# Altium PCB POWER_SUPPLY_20-100V.PcbDoc
Units mm, origin at the board's own origin, x right, y up, seen from the top; angles counter-clockwise.
Board outline 91 x 55 mm, 2 copper layers (Top Layer, Bottom Layer), stack 1.071 mm thick; 83 components, 39 nets, 176 pads, 32 vias.
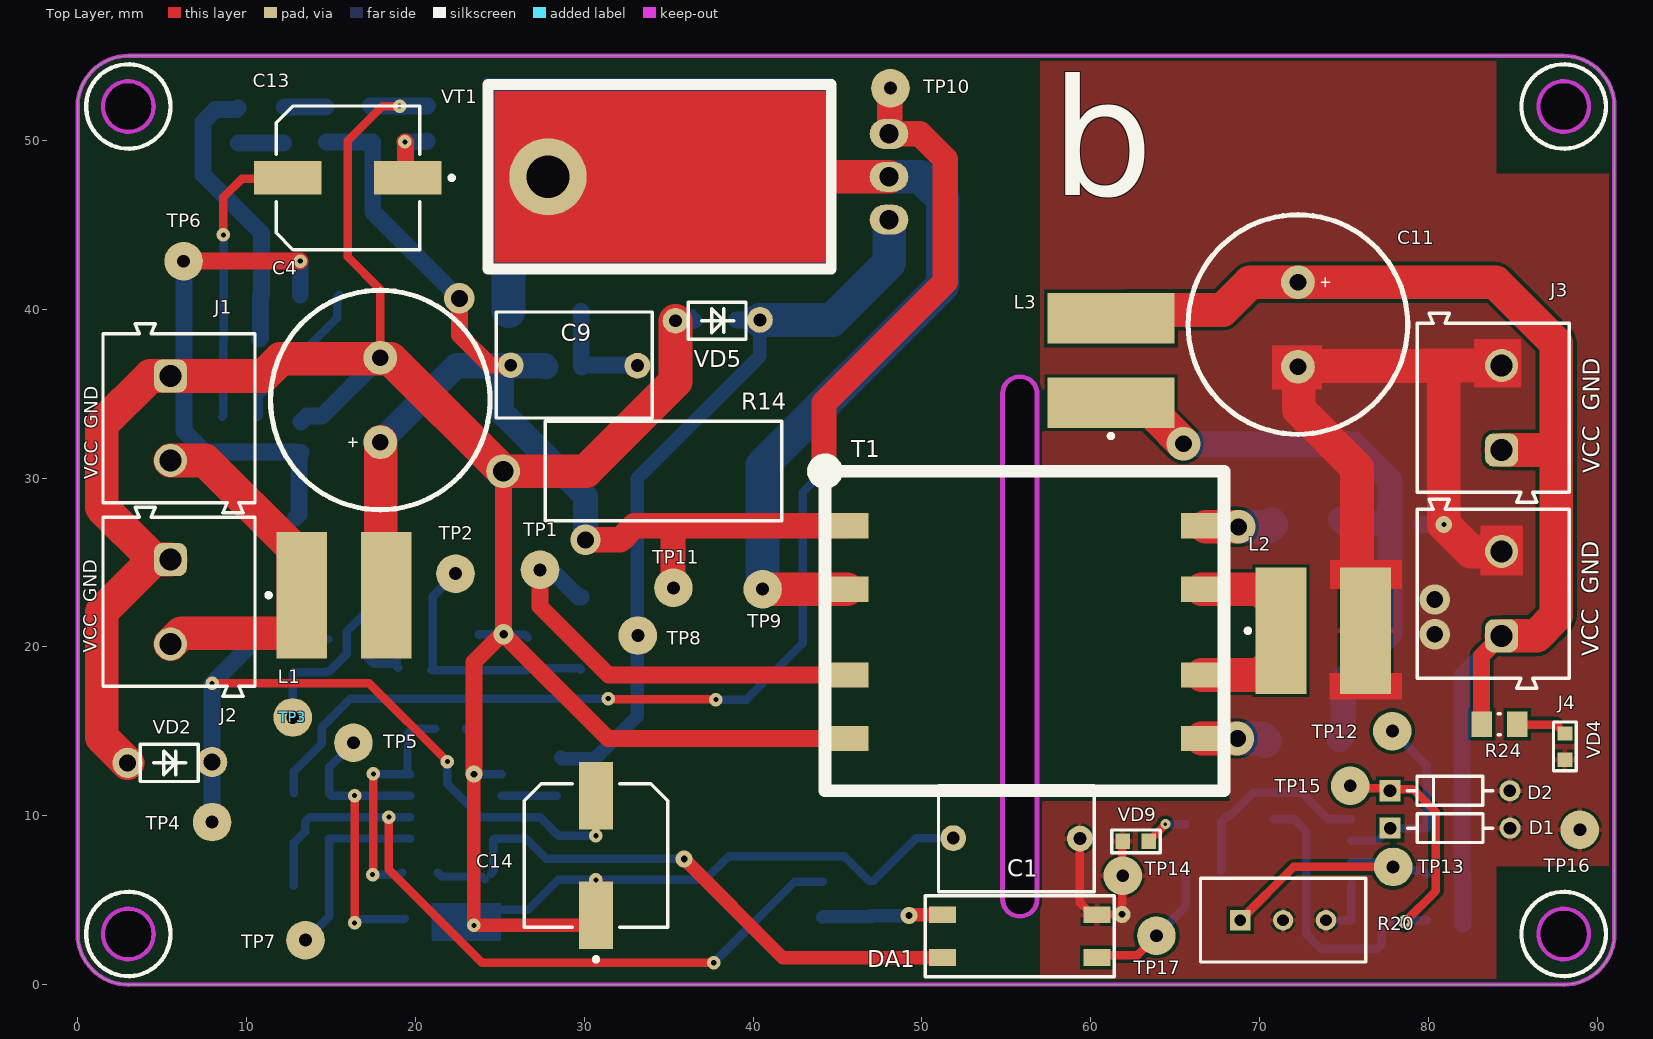
[diagram p0: Top Layer view]
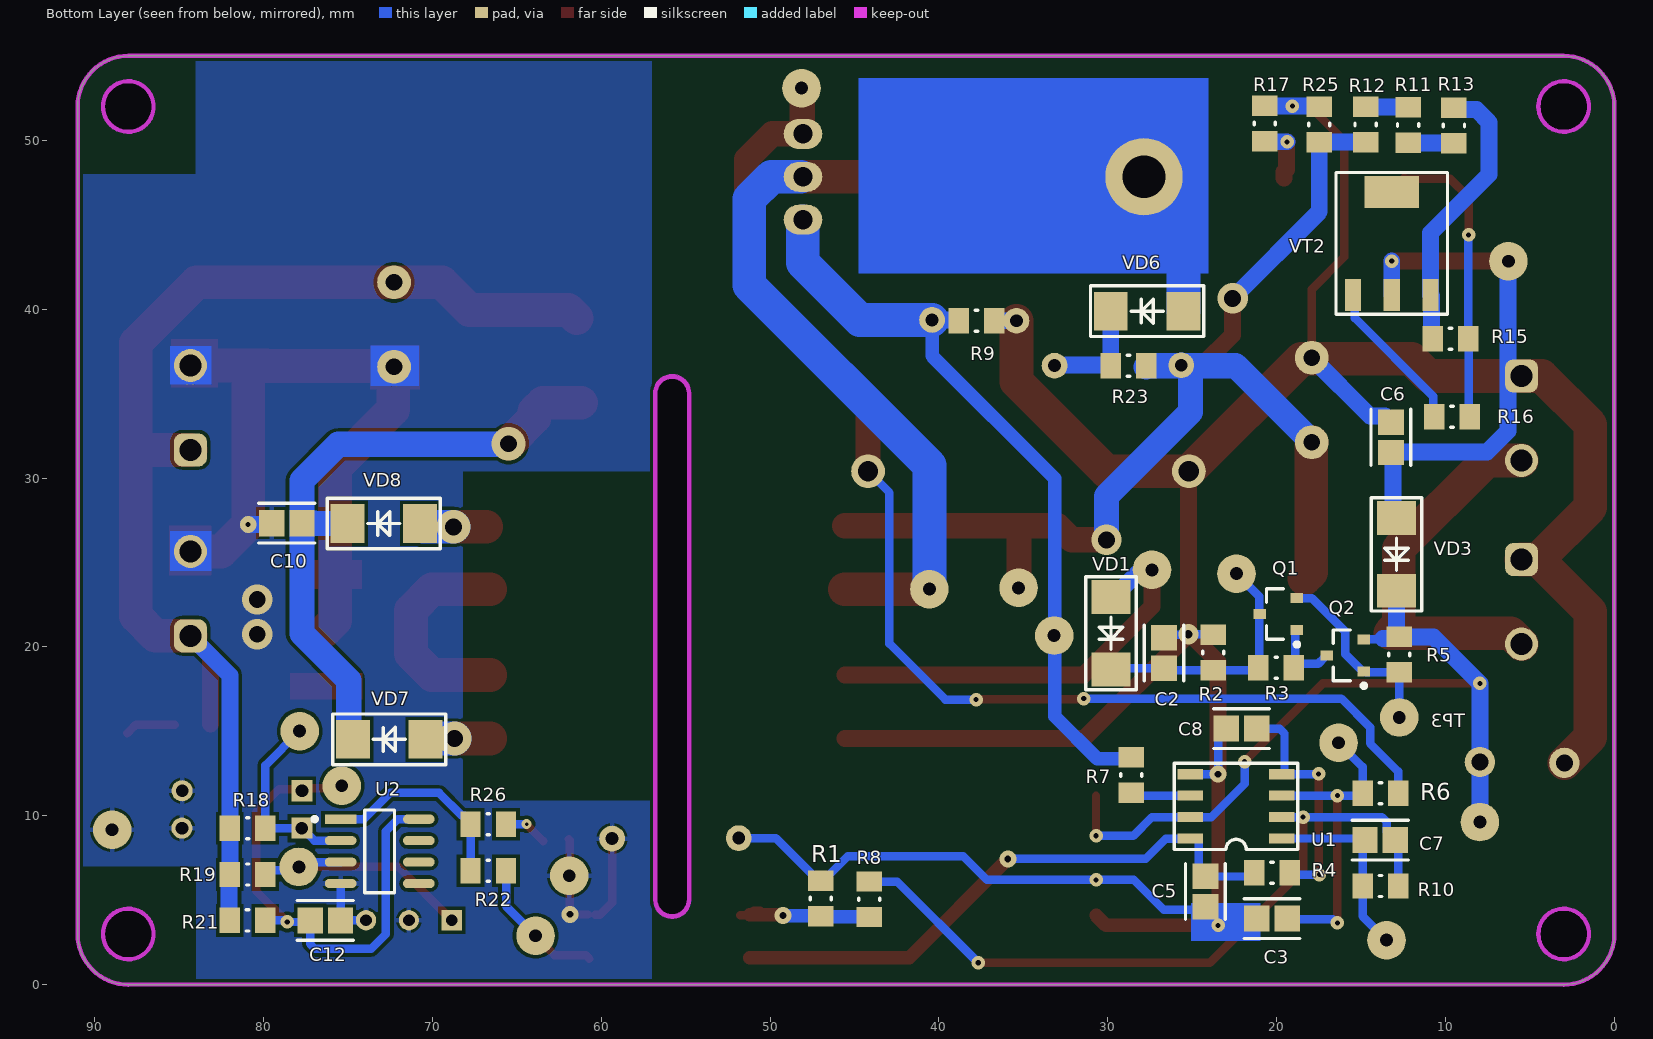
[diagram p1: Bottom Layer view, seen from below]
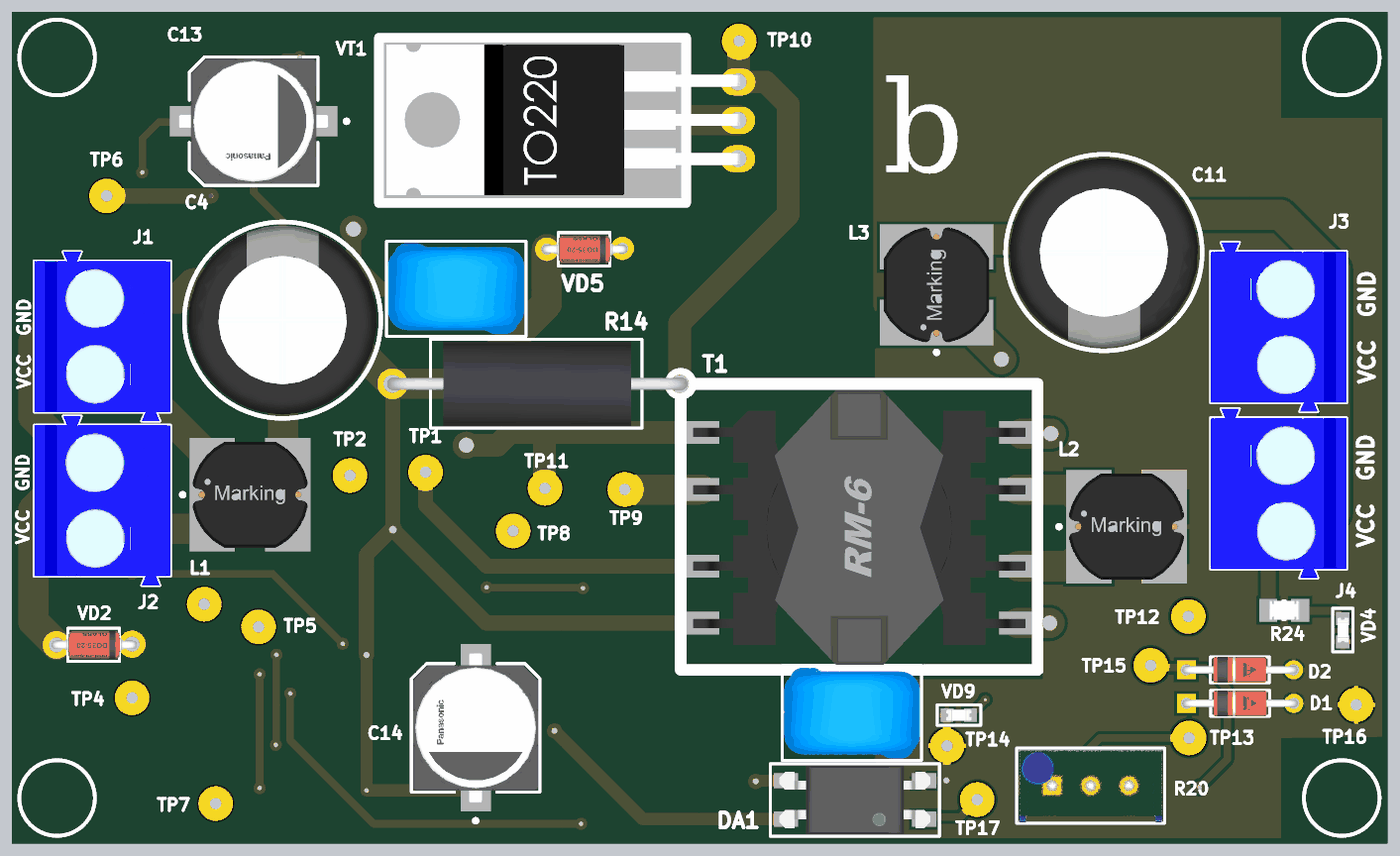
[diagram p2: 3D render of the assembled board from above, using the file's embedded part models]
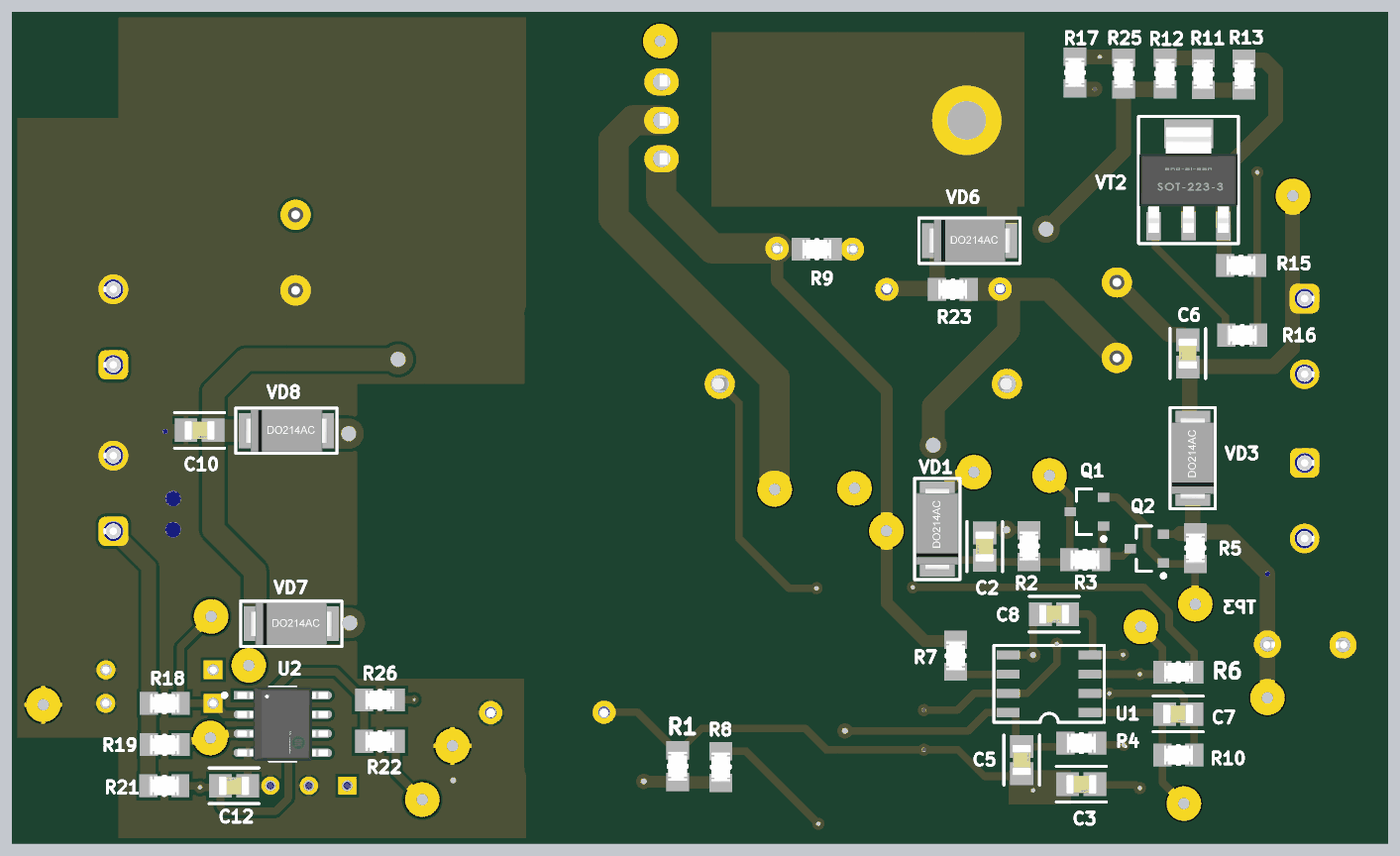
[diagram p3: 3D render of the assembled board from below, using the file's embedded part models]

## Layer stack, top to bottom
Top Solder: solder mask 0.0102, Solder Resist, Dk 3.5
Top Layer: signal copper 0.0356
Dielectric 1: dielectric 1, FR-4, Dk 4.8
Bottom Layer: signal copper 0.0356
Bottom Solder: solder mask 0.0102, Solder Resist, Dk 3.5

## Board outline
0,3 ccw(c3,3) 3,0 2.986,0.004 88,0.004 88,0 ccw(c88,3) 91,3 91,52 ccw(c88,52) 88,55 3,55 ccw(c3,52) 0,52
cut-out: 54.667,5.05 cw(c54.794,5.05) 54.668,5.064 54.668,21.053 cw(c54.792,21.08) 54.665,21.08 54.665,34.98 cw(c54.792,34.98) 54.668,35.007 cw(c55.795,35) 56.923,35 cw(c56.795,35) 56.915,34.957 cw(c56.79,34.931) 56.918,34.931 56.918,24.463 cw(c56.795,24.428) 56.923,24.428 56.923,16.898 cw(c56.796,16.898) 56.922,16.883 56.922,5.009 cw(c56.795,5.009) 56.92,4.989 cw(c55.794,5.05) 54.668,5.004 cw(c55.795,5.05)
cut-out: 1.5,3 ccw(c3,3) 3,1.5 ccw(c3,3) 4.5,3 ccw(c3,3) 3,4.5 ccw(c3,3)
cut-out: 1.5,52 ccw(c3,52) 3,50.5 ccw(c3,52) 4.5,52 ccw(c3,52) 3,53.5 ccw(c3,52)
cut-out: 86.5,3 ccw(c88,3) 88,1.5 ccw(c88,3) 89.5,3 ccw(c88,3) 88,4.5 ccw(c88,3)
cut-out: 86.5,52 ccw(c88,52) 88,50.5 ccw(c88,52) 89.5,52 ccw(c88,52) 88,53.5 ccw(c88,52)

## Design rules (kind name [scope] priority, off if disabled: settings)
Clearance [All] p1: gap=0.2 ignorepadtopadclearanceinfootprint=FALSE
DiffPairsRouting [All] p1: maxlimit=0.254 minlimit=0.254 mostfreqgap=0.254 substack1={A23D90DD-733B-49C5-8102-56B3D284E3A0} toplayer_{a23d90dd-733b-49c5-8102-56b3d284e3a0}_minwidth=0.381 toplayer_{a23d90dd-733b-49c5-8102-56b3d284e3a0}_maxwidth=0.381 toplayer_{a23d90dd-733b-49c5-8102-56b3d284e3a0}_prefwidth=0.381 bottomlayer_{a23d90dd-733b-49c5-8102-56b3d284e3a0}_minwidth=0.381 bottomlayer_{a23d90dd-733b-49c5-8102-56b3d284e3a0}_maxwidth=0.381 bottomlayer_{a23d90dd-733b-49c5-8102-56b3d284e3a0}_prefwidth=0.381 toplayer_minwidth=0.381 toplayer_maxwidth=0.381 toplayer_prefwidth=0.381 bottomlayer_minwidth=0.381 bottomlayer_maxwidth=0.381 bottomlayer_prefwidth=0.381 substack2={0B3DB408-A969-412D-8C07-BA8AE97219D9} toplayer_{0b3db408-a969-412d-8c07-ba8ae97219d9}_minwidth=0.381 toplayer_{0b3db408-a969-412d-8c07-ba8ae97219d9}_maxwidth=0.381 toplayer_{0b3db408-a969-412d-8c07-ba8ae97219d9}_prefwidth=0.381 bottomlayer_{0b3db408-a969-412d-8c07-ba8ae97219d9}_minwidth=0.381 bottomlayer_{0b3db408-a969-412d-8c07-ba8ae97219d9}_maxwidth=0.381 bottomlayer_{0b3db408-a969-412d-8c07-ba8ae97219d9}_prefwidth=0.381 substack3={378827E6-B38F-4565-9D2F-710D8D441C30} toplayer_{378827e6-b38f-4565-9d2f-710d8d441c30}_minwidth=0.381 toplayer_{378827e6-b38f-4565-9d2f-710d8d441c30}_maxwidth=0.381 toplayer_{378827e6-b38f-4565-9d2f-710d8d441c30}_prefwidth=0.381 bottomlayer_{378827e6-b38f-4565-9d2f-710d8d441c30}_minwidth=0.381 bottomlayer_{378827e6-b38f-4565-9d2f-710d8d441c30}_maxwidth=0.381 bottomlayer_{378827e6-b38f-4565-9d2f-710d8d441c30}_prefwidth=0.381 substack4={1E65D4A7-266F-4925-B814-5E9C4A66F8EE} toplayer_{1e65d4a7-266f-4925-b814-5e9c4a66f8ee}_minwidth=0.381 toplayer_{1e65d4a7-266f-4925-b814-5e9c4a66f8ee}_maxwidth=0.381 toplayer_{1e65d4a7-266f-4925-b814-5e9c4a66f8ee}_prefwidth=0.381 bottomlayer_{1e65d4a7-266f-4925-b814-5e9c4a66f8ee}_minwidth=0.381 bottomlayer_{1e65d4a7-266f-4925-b814-5e9c4a66f8ee}_maxwidth=0.381 bottomlayer_{1e65d4a7-266f-4925-b814-5e9c4a66f8ee}_prefwidth=0.381 substack5={93C5D03E-862D-45F8-9871-970EEA9B3F11} toplayer_{93c5d03e-862d-45f8-9871-970eea9b3f11}_minwidth=0.381 toplayer_{93c5d03e-862d-45f8-9871-970eea9b3f11}_maxwidth=0.381 toplayer_{93c5d03e-862d-45f8-9871-970eea9b3f11}_prefwidth=0.381 bottomlayer_{93c5d03e-862d-45f8-9871-970eea9b3f11}_minwidth=0.381 bottomlayer_{93c5d03e-862d-45f8-9871-970eea9b3f11}_maxwidth=0.381 bottomlayer_{93c5d03e-862d-45f8-9871-970eea9b3f11}_prefwidth=0.381 maxuncoupledlength=12.7
HoleSize [All] p1: absolutevalues=TRUE maxlimit=6 minlimit=0.01 maxpercent=80.000 minpercent=20.000
HoleToHoleClearance [All] p1: gap=0.1 allowstackedmicrovias=TRUE
MinimumSolderMaskSliver [All] p1: minsoldermaskwidth=0.1
PlaneConnect [All] p1: pad.planeconnectstyle=Relief pad.reliefexpansion=0.5 pad.reliefentries=4 pad.reliefconductorwidth=0.5 pad.reliefairgap=0.15 via.planeconnectstyle=Direct via.reliefexpansion=0.5 via.reliefentries=4 via.reliefconductorwidth=0.5 via.reliefairgap=0.15
PolygonConnect VQFN20 [HasFootprint('VQFN20')] p1: connectstyle=Direct reliefconductorwidth=0.254 reliefentries=4 polygonreliefangle="90 Angle" airgapwidth=0.254
PolygonConnect [All] p2: thpad.connectstyle=Relief thpad.reliefconductorwidth=0.3 thpad.reliefentries=4 thpad.polygonreliefangle="90 Angle" thpad.airgapwidth=0.15 smdpad.connectstyle=Relief smdpad.reliefconductorwidth=0.3 smdpad.reliefentries=4 smdpad.polygonreliefangle="90 Angle" smdpad.airgapwidth=0.15 via.connectstyle=Direct via.reliefconductorwidth=0.3 via.reliefentries=4 via.polygonreliefangle="90 Angle" via.airgapwidth=0.15
RoutingVias [All] p1: holewidth=0.1 width=0.1 viastyle="Through Hole" minholewidth=0 minwidth=0.3 maxholewidth=2 maxwidth=4
ShortCircuit [All] p1: allowed=TRUE
SilkToSolderMaskClearance [IsPad] p1: minsilkscreentomaskgap=0.1 clearancetoexposedcopper=TRUE
SolderMaskExpansion SolderMaskExpansion_Via [IsVia] p1: expansion=0.102 istentingtop=TRUE
SolderMaskExpansion [All] p2: expansion=0.01 istentingtop=FALSE
UnRoutedNet [All] p1: checkbadconnections=TRUE
Width [All] p1: maxlimit=5 minlimit=0.2 preferedwidth=0.3 substack1={A23D90DD-733B-49C5-8102-56B3D284E3A0} substack2={0B3DB408-A969-412D-8C07-BA8AE97219D9} substack3={378827E6-B38F-4565-9D2F-710D8D441C30} substack4={1E65D4A7-266F-4925-B814-5E9C4A66F8EE} substack5={93C5D03E-862D-45F8-9871-970EEA9B3F11}
22 further rules are at their usual default settings.

## Components (designator, comment, footprint, x,y, rotation, side; value= is the part's Value field where it differs from the comment)
C1 "CAP-NON-POLAR" CAP-V5 55.601,8.625 r0 top
C2 "50V 1uF" FP-C0805C-DN-IPC_A 26.668,19.641 r90 bottom value="0.22 μF"
C3 "50V 47pF" FP-C0805C-DN-IPC_A 20.271,3.912 r0 bottom value="0.22 μF"
C4 "25V 2200uF" CAPPOL-12x25 17.921,34.62 r90 top
C5 "50V 10nF" FP-C0805C-DN-IPC_A 24.218,5.514 r270 bottom value="0.22 μF"
C6 "50V 1uF" FP-C0805C-DN-IPC_A 13.233,32.41 r90 bottom value="0.22 μF"
C7 "50V 10nF" FP-C0805C-DN-IPC_A 13.868,8.562 r0 bottom value="0.22 μF"
C8 "50V 1uF" FP-C0805C-DN-IPC_A 22.073,15.164 r0 bottom value="0.22 μF"
C9 "CAP-NON-POLAR" CAP-V5 29.397,36.704 r180 top
C10 "50V 1uF" FP-C0805C-DN-IPC_A 78.613,27.33 r0 bottom value="0.22 μF"
C11 "25V 2200uF" CAPPOL-12x25 72.263,39.091 r270 top
C12 "50V 1uF" FP-C0805C-DN-IPC_A 76.333,3.805 r180 bottom value="0.22 μF"
C13 "EEE-1HA101UP" FP-SF-MFG 16.002,47.777 r180 top value=100uF
C14 "EEE-1HA101UP" FP-SF-MFG 30.695,7.647 r90 top locked value=100uF
D1 "BZX55B5V2-TAP" FP-SB-V-3906_04-031_4-MFG 81.274,9.266 r0 top locked
D2 "BZX55B8V2-TAP" FP-SB-V-3906_04-031_4-MFG 81.262,11.481 r0 top
DA1 "PC817" 4-SMD 55.787,2.87 r180 top locked
J1 "691101710002" 691101710002 6,33.542 r270 top
J2 "691101710002" 691101710002 6,22.671 r270 top
J3 "691101710002" 691101710002 83.82,34.163 r90 top locked
J4 "691101710002" 691101710002 83.82,23.154 r90 top locked
L1 "470µH, 0.36A" WE-PD2_7850 15.773,23.063 r0 top
L2 "470µH, 0.36A" WE-PD2_7850 73.762,20.955 r0 top
L3 "470µH, 0.36A" WE-PD2_7850 61.189,36.957 r90 top
Q1 "BC847C" INF-SOT23_L 19.9,21.943 r0 bottom
Q2 "BC847C" INF-SOT23_L 15.937,19.499 r0 bottom
R1 "1k" Vishay_CRCW0805-e3_IPC_A 46.99,5.105 r270 bottom
R2 "1k" Vishay_CRCW0805-e3_IPC_A 23.747,19.67 r270 bottom
R3 "1k" Vishay_CRCW0805-e3_IPC_A 20.027,18.765 r180 bottom
R4 "1K" Vishay_CRCW0805-e3_IPC_A 20.271,6.625 r180 bottom
R5 "20Ω" Vishay_CRCW0805-e3_IPC_A 12.737,19.546 r90 bottom
R6 "1K" Vishay_CRCW0805-e3_IPC_A 13.855,11.33 r180 bottom
R7 "22" Vishay_CRCW0805-e3_IPC_A 28.602,12.408 r90 bottom
R8 "3,9K" Vishay_CRCW0805-e3_IPC_A 44.12,5.055 r270 bottom
R9 "10K" Vishay_CRCW0805-e3_IPC_A 37.775,39.315 r180 bottom
R10 "100K" Vishay_CRCW0805-e3_IPC_A 13.855,5.842 r180 bottom
R11 "220Ω" Vishay_CRCW0805-e3_IPC_A 12.217,50.902 r90 bottom
R12 "220Ω" Vishay_CRCW0805-e3_IPC_A 14.732,50.939 r270 bottom
R13 "220Ω" Vishay_CRCW0805-e3_IPC_A 9.5,50.876 r270 bottom
R14 "RES-CONST" RES-2W 34.696,30.404 r0 top locked
R15 "10k" Vishay_CRCW0805-e3_IPC_A 9.709,38.241 r0 bottom
R16 "1k" Vishay_CRCW0805-e3_IPC_A 9.617,33.63 r0 bottom
R17 "200Ω" Vishay_CRCW0805-e3_IPC_A 20.701,51.003 r90 bottom
R18 "1k" Vishay_CRCW0805-e3_IPC_A 80.931,9.266 r0 bottom
R19 "1k" Vishay_CRCW0805-e3_IPC_A 80.931,6.523 r0 bottom
R20 "3296W-1-202LF" Bourns_3296W_MFG 71.383,3.821 r270 top
R21 "1k" Vishay_CRCW0805-e3_IPC_A 80.94,3.805 r0 bottom
R22 "1k" Vishay_CRCW0805-e3_IPC_A 66.681,6.751 r0 bottom
R23 "22K" Vishay_CRCW0805-e3_IPC_A 28.778,36.652 r0 bottom
R24 "2.7K" Vishay_CRCW0805-e3_IPC_A 84.187,15.418 r0 top
R25 "1M" Vishay_CRCW0805-e3_IPC_A 17.475,50.939 r90 bottom
R26 "1k" Vishay_CRCW0805-e3_IPC_A 66.681,9.495 r180 bottom
T1 "TRANS_RM6" TRANS_RM6 56.073,20.879 r0 top locked value=XX
TP1 "Test_Point_PCB" Test_Point#1 27.381,24.562 r0 top
TP2 "Test_Point_PCB" Test_Point#1 22.377,24.339 r180 top
TP3 "Test_Point_PCB" Test_Point#1 12.737,15.824 r180 top
TP4 "Test_Point_PCB" Test_Point#1 7.961,9.627 r180 top
TP5 "Test_Point_PCB" Test_Point#1 16.332,14.326 r0 top
TP6 "Test_Point_PCB" Test_Point#1 6.274,42.841 r0 top
TP7 "Test_Point_PCB" Test_Point#1 13.491,2.633 r0 top
TP8 "Test_Point_PCB" Test_Point#1 33.172,20.67 r0 top
TP9 "Test_Point_PCB" Test_Point#1 40.562,23.419 r0 top
TP10 "Test_Point_PCB" Test_Point#1 48.133,53.086 r0 top locked
TP11 "Test_Point_PCB" Test_Point#1 35.281,23.495 r0 top
TP12 "Test_Point_PCB" Test_Point#1 77.851,15.011 r0 top
TP13 "Test_Point_PCB" Test_Point#1 77.902,6.973 r0 top
TP14 "Test_Point_PCB" Test_Point#2 61.887,6.452 r0 top
TP15 "Test_Point_PCB" Test_Point#1 75.362,11.775 r0 top
TP16 "Test_Point_PCB" Test_Point#2 88.956,9.169 r0 top
TP17 "Test_Point_PCB" Test_Point#1 63.881,2.896 r0 top locked
U1 "UC3842B" SOIC8-150 22.406,10.555 r0 bottom
U2 "LM358DR2G" FP-751-07-IPC_C 73.112,7.894 r180 bottom
VD1 "DIODE" "DO-214AC, SMA" 29.806,20.804 r90 bottom
VD2 "18V" DO-35#1 5.461,13.132 r180 top
VD3 "DIODE" "DO-214AC, SMA" 12.903,25.476 r90 bottom
VD4 "LED" LED-0603 88.074,14.101 r90 top
VD5 "15V" DO-35#2 37.907,39.315 r180 top
VD6 "DIODE" "DO-214AC, SMA" 27.669,39.879 r180 bottom
VD7 "DIODE" "DO-214AC, SMA" 72.551,14.529 r180 bottom
VD8 "DIODE" "DO-214AC, SMA" 72.873,27.305 r180 bottom
VD9 "LED" LED-0603 62.662,8.486 r0 top
VT1 "MOSFET-N-GDS" TO-220(bend2) 36.872,47.586 r90 top locked value="200V 18A"
VT2 "BIPOLAR-PNP-BCE" SOT-223-3 13.183,43.891 r180 bottom

## Footprints (in the part's own frame and the unit in brackets; to place one, negate y for a bottom-side part, rotate by r counter-clockwise, add the part's x,y. Pads: shape width x height; smd on the part's side, far side on the other; paste and mask are expansions set on the pad)
4-SMD [mm]
  rect 1.6x1 smd: 1(-4.575,1.27) 2(-4.575,-1.27) 3(4.575,-1.27) 4(4.575,1.27)
  silkscreen extent -5.6,-2.4 5.6,2.4, body extent -5,-2.29 5,2.29, height 3.85
691101710002 [mm] "5,00mm - modular - blue - Horizontal entry with pressure clamp - 12,6mm height - 02p"
  rrect50% 1.95x1.95 hole 1.3: 1(-2.5,-0.5)
  round 1.95 hole 1.3: 2(2.5,-0.5)
  silkscreen extent -5.6,-4.5 5.6,4.5, body extent -5.6,-4.5 5.6,4.5, height 12.65
Bourns_3296W_MFG [mm]
  rect 1.2x1.2 hole 0.7 paste-1000 mask+0: 1(0.005,-2.54)
  round 1.2 hole 0.7 paste-1000 mask+0: 2(0.005,0) 3(0.005,2.54)
  silkscreen extent -2.48,-4.89 2.48,4.89, body extent -2.58,-4.99 2.58,4.99, height 0.25
CAP-V5 [mil]
  round 60 hole 30: 1(-147.64,1.97) 2(147.64,0.98)
  silkscreen extent -182,-123 181,124, body extent -177,-118 177,118, height 630
CAPPOL-12x25 [mm]
  round 2 hole 1: 1(-2.5,0) 2(2.5,0)
  silkscreen extent -6.5,-6.5 6.5,6.5, body extent -6.25,-6.25 6.25,6.25, height 25
DO-35#1 [mm]
  round 1.8 hole 1: 1(-2.5,-0.05) 2(2.5,0)
  silkscreen extent -1.68,-1.1 1.75,1.1, body extent -2.82,-0.9 2.82,0.9, height 1.82
DO-35#2 [mm]
  round 1.524 hole 0.762: 1(-2.5,-0.05) 2(2.5,0)
  silkscreen extent -1.68,-1.1 1.75,1.1, body extent -2.82,-0.9 2.82,0.9, height 1.82
"DO-214AC, SMA" [mm]
  rect 2x2.3 smd: 1(-2.15,0) 2(2.15,0)
  silkscreen extent -3.35,-1.5 3.35,1.5, body extent -2.74,-1.4 2.74,1.4, height 2.24
FP-751-07-IPC_C [mm]
  rect 1.874x0.543 smd paste+0 mask+0: 1(-2.316,1.905)
  rrect100% 1.874x0.543 smd paste+0 mask+0: 2(-2.316,0.635) 3(-2.316,-0.635) 4(-2.316,-1.905) 5(2.316,-1.905) 6(2.316,-0.635) 7(2.316,0.635) 8(2.316,1.905)
  silkscreen extent -3.98,-2.45 0.88,2.45, body extent -3,-2.45 3,2.45, height 1.75
FP-C0805C-DN-IPC_A [mm]
  rect 1.505x1.556 smd paste+0 mask+0: 1(-0.901,0) 2(0.901,0)
  silkscreen extent -1.65,-1.18 1.65,1.18, body extent -1,-0.63 1,0.63, height 0.88
FP-SB-V-3906_04-031_4-MFG [mm]
  rect 1.25x1.25 hole 0.75 paste-1000 mask+0: 1(-3.55,0)
  round 1.25 hole 0.75 paste-1000 mask+0: 2(3.55,0)
  silkscreen extent -2.52,-0.85 2.52,0.85, body extent -4.28,-0.95 4.28,0.95, height 0.25
FP-SF-MFG [mm]
  rect 4x2 smd paste+0 mask+0: 1(-3.55,0) 2(3.55,0)
  silkscreen extent -6.28,-4.25 4.25,4.25, body extent -5.8,-4.5 5.8,4.5, height 0.25
INF-SOT23_L [mm] "SOT23, 3-Leads, Body 2.9x1.3 mm, Pitch 0.95 mm, IPC High Density"
  rect 0.75x0.6 smd: 1(-1.1,0.95) 2(-1.1,-0.95) 3(1.1,0)
  silkscreen extent -1.22,-1.5 0.7,1.92, body extent -0.7,-1.5 0.7,1.5, height 1.1
LED-0603 [mm]
  rect 0.85x0.9 smd: 1(-0.775,0) 2(0.775,0)
  silkscreen extent -1.43,-0.67 1.45,0.67, body extent -0.83,-0.36 0.82,0.36, height 0.68
RES-2W [mm]
  round 2 hole 1.2: 1(-9.5,0) 2(9.5,0)
  silkscreen extent -7,-2.93 7,2.95, body extent -9.86,-2.79 10.01,2.79, height 5.59
SOIC8-150 [mm]
  rect 1.5x0.6 smd: 1(-2.7,1.905) 2(-2.7,0.635) 3(-2.7,-0.635) 4(-2.7,-1.905) 5(2.7,-1.905) 6(2.7,-0.635) 7(2.7,0.635) 8(2.7,1.905)
  silkscreen extent -3.65,-2.55 3.65,2.55, body extent -3,-2.45 3,2.45, height 1.75
SOT-223-3 [mm]
  rect 0.95x1.9 smd: 1(-2.3,-3.05) 2(0,-3.05) 3(2.3,-3.05)
  rect 3.25x1.9 smd: 4(0,3.05)
  silkscreen extent -3.3,-4.2 3.3,4.2, body extent -3.25,-3.5 3.25,3.5, height 1.7
Test_Point#1 [mil]
  round 90 hole 30 paste+4 mask+4: 1(0,0)
Test_Point#2 [mil]
  round 90 hole 30 unplated paste+4 mask+4: 1(0,0)
TO-220(bend2) [mil]
  oval 70x90 hole 45: 1(-90,-440) 2(10,-440) 3(110,-440)
  round 180 hole 100: 2(10,355)
  Top Layer region: -190.01,-300 209.99,-300 209.99,480 -190.01,480
  Bottom Layer region: -215.01,-310 239.99,-310 239.99,505 -215.01,505
  silkscreen extent -205,-305 225,495, body extent -185,-446 208,476, height 179
TRANS_RM6 [mm]
  rect 2.5x1.5 smd: 1(-10.5,6.3) 2(-10.5,2.54) 3(-10.5,-2.54) 4(-10.5,-6.3) 5(10.5,-6.3) 6(10.5,-2.54) 7(10.5,2.54) 8(10.5,6.3)
  silkscreen extent -12.51,-9.4 11.81,10.22, body extent -11,-9.08 11,9.08, height 12.68
Vishay_CRCW0805-e3_IPC_A [mil]
  rect 47.5x59.38 smd paste+0 mask+0: 1(-41.37,0) 2(41.37,0)
  silkscreen extent -3,-25 3,25, body extent -39,-25 39,25, height 20
WE-PD2_7850 [mm] "SMD Power Inductor, 2-Leads, body 7.8x7mm"
  rect 3x7.5 smd: 1(-2.5,0) 2(2.5,0)
  silkscreen extent -4.59,-0.12 -4.34,0.12, body extent -3.81,-3.5 3.81,3.5, height 4.95

## Part data
C2 C3 C5 C6 C7 C8 C10 C12: library part CMP-1036-04552-2, "CAP CER 0.22UF 50V X7R 0805", Capacitance="0.22 μF", Manufacturer=KEMET, Manufacturer Part Number=C0805C224K5RACTU, Package=C0805C-DN, Temperature="-55°C to +125°C", Temperature Characteristic=X7R, Temperature Coefficient=30ppm/°C, Temperature Range High=+125°C, Temperature Range Low=-55°C, Tolerance=0.1, Voltage Rating="50 V", Automotive=No, Category=Cap, ComponentLink2Description=Datasheet, ComponentLink2URL=https://content.kemet.com/datasheets/KEM_C1003_C0G_SMD.pdf, Device Class L1="Passive Components", Device Class L2=Capacitors, Device Class L3="Ceramic Capacitors", Digikey Description="CAP CER 0.22UF 50V X7R 0805", Height=0.88mm, Ipc Land Pattern Name=CAPC200125X78, Lead Free=Yes, Material=Ceramic, Mouser Description="CAP CER 0.22UF 50V X7R 0805", Octopart=https://octopart.com/c0805c224k5ractu-kemet-144670, RoHS=TRUE
C4 C11: library part CAP-POLAR
C13 C14: library part CMP-05427-000015-1, "CAP ALUM 100UF 20% 50V SMD", Capacitance=100uF, Leakage Current=100uA, Manufacturer=Panasonic, Package=SF, Ripple Current=200mA, Temperature="-40°C to +85°C", Temperature Range High=+85°C, Temperature Range Low=-40°C, Tolerance=20%, Voltage=50V, Automotive=Yes, Automotive Grade="Grade 3", Category=Cap, ComponentLink2Description=Datasheet, ComponentLink2URL=https://industrial.panasonic.com/cdbs/www-data/pdf/RDE0000/ABA0000C1145.pdf, Device Class L1="Passive Components", Device Class L2=Capacitors, Device Class L3="Aluminum Electrolytic Capacitors", Digikey Description="CAP ALUM 100UF 20% 50V SMD", Dissipation Factor=0.12%, Height=10.5mm, Lead Free=Yes, Life=2000Hours, Manufacturer Part Number=EEE-1HA101UP, Material=Aluminum, Mouser Description="Cap Aluminum Lytic 100uF 50V 20% (8 X 10.2mm) SMD 200mA 2000h 85C Automotive T/R", Octopart=https://octopart.com/eee-1ha101up-panasonic-55396734, RoHS=TRUE, Voltage Rating=50V
D1 D2: library part CMP-02541-000026-1, "DIODE ZENER 8.2V 500MW DO35", Case/Package=DO-35, Max Operating Temperature=175°C, Max Power Dissipation=500mW, Max Reverse Leakage Current=100nA, Min Operating Temperature=-65°C, Package Quantity=30000, Test Current=5mA, Tolerance=2%, Zener Voltage=8.2V, Contact Plating=Tin, Element Configuration=Single, ESD Protection=No, Impedance=7R, Lead Free="Lead Free", Mount="Through Hole", Number of Pins=2, Packaging="Ammo Pack", Power Dissipation=500mW, Radiation Hardening=No, RoHS Compliant=Yes, Series="Automotive, AEC-Q101", Voltage Tolerance=2%
J1 J2 J3 J4: "WR-TBL Series 101 Horizontal Entry Modular, THT, pitch 5mm, 2p", Manufacturer="Wurth Elektronik", Operating Temperature Max=105°C, Operating Temperature Min=-40°C, Rated Current=16A, Working Voltage=250V, Application="Pressure Clamp", Category="Terminal Blocks", ComponentLink1Description="Website Link", ComponentLink1URL=https://www.we-online.com/redexpert/article/691101710002?ad, ComponentLink2Description="Datasheet Link", ComponentLink2URL=https://www.we-online.com/redexpert/spec/691101710002?ad, Manufacturer Part Number=691101710002, Match Code=WR-TBL, Modularity=Yes, Mount="Through Hole", Number of Pins=2, Number of Rows=1, Orientation=Horizontal, Packaging=Box, Pitch=5mm
L1 L2 L3: library part 744775247, "WE-PD2 SMT Power Inductor, size 7850, 470µH, 0.36A, 1.96Ω", Case/Size Code=7850, DC Resistance=1.37Ω, DC Resistance Max=1.96Ω, Inductance=470µH, Manufacturer="Wurth Elektronik", Operating Temperature Max=125°C, Operating Temperature Min=-40°C, Rated Current=0.36A, Saturation Current=0.38A, Self Resonant Frequency=3.4MHz, Category="Unshielded Power Inductors", ComponentLink1Description="Website Link", ComponentLink1URL=https://www.we-online.com/redexpert/article/744775247?ad, ComponentLink2Description="Datasheet Link", ComponentLink2URL=https://www.we-online.com/redexpert/spec/744775247?ad, Height=4.95mm, Length=7.8mm, Manufacturer Part Number=744775247, Match Code=WE-PD2, Mount="Surface Mount", Packaging="Tape and Reel", Width=7mm
Q1 Q2: "NPN Silicon AF Transistor, 45 V VCEO, 100 mA IC, SOT23, Reel, Green", Manufacturer=Infineon, ComponentLink1Description="Manufacturer URL", ComponentLink1URL=http://www.infineon.com/, ComponentLink2Description=Datasheet, ComponentLink2URL=http://www.infineon.com/dgdl/bc847series_bc848series_bc849series_bc850series.pdf?folderId=db3a304314dca389011541d30fa21656&fileId=db3a304314dca389011541d4630a1657, ComponentLink3Description="Package Specification", ComponentLink3URL=http://www.infineon.com/dgdl/SOT23-Package_Overview.pdf?folderId=db3a30431936bc4b0119532290053c66&fileId=db3a30431936bc4b0119533468123c85, fT (typ)="250Â MHz", Green=TRUE, IBM (max)="200Â mA", IC (max)="100Â mA", ICBO (max)="15Â nA", ICM (max)="200Â mA", Mounting Technology="Surface Mount", PackageDescription="3-Pin Small Outline Transistor Package, 1.3 x 2.9 mm Body, 0.95 mm Pitch", PackageReference=SOT23, PackageVersion=Apr-08, Packing=Reel, PartNumber=BC847C, Polarity=NPN, Ptot (max)="330Â mW", VCBO (max)="50Â V", VCEO (max)="45Â V", VEBO (max)="6Â V"
R1 R2 R3 R5 R8 R10 R11 R12 R13 R15 R16 R17 R18 R19 R21 R22 R23 R25 R26: library part CRCW08050000Z0EA
R4 R6 R7 R9 R24: library part CRCW08050000Z0EA, "100K"
T1: library part 4, Part Number=4, №=4
TP1 TP2 TP3 TP4 TP5 TP6 TP7 TP8 TP9 TP10 TP11 TP12 TP13 TP14 TP15 TP16 TP17: library part TP_PCB?, "Test_Point"
U2: library part CMP-1310-00291-2, "IC OPAMP GP 2 CIRCUIT 8SOIC", Case/Package=SOIC, Dual Supply Voltage=9V, Input Bias Current=250nA, Input Offset Voltage (Vos)=7mV, Max Dual Supply Voltage=16V, Max Operating Temperature=70°C, Max Supply Voltage=32V, Min Dual Supply Voltage=1.5V, Min Operating Temperature=0°C, Min Supply Voltage=3V, Nominal Supply Current=1.2mA, Operating Supply Current=1.5mA, Output Current=40mA, Package Quantity=2500, Power Supply Rejection Ratio (PSRR)=65dB, Voltage Gain=100dB, Bandwidth=1MHz, Common Mode Rejection Ratio=65dB, Contact Plating=Tin, Gain Bandwidth Product=1MHz, Halogen Free="Halogen Free", Height=1.5mm, Lead Free="Lead Free", Length=5mm, Number of Amplifiers=2, Number of Channels=2, Number of Circuits=2, Number of Elements=2, Number of Pins=8, Operating Supply Voltage=16V, Output Current per Channel=40mA, Packaging="Tape and Reel", Radiation Hardening=No, REACH SVHC="No SVHC", Slew Rate=0.6V/µs, Width=4mm
VD2 VD5: library part ZENER
VT1: library part IRF640_, ID=T-0008, Part Number=IRF640_, №=8
U1: ID=I-0005, Part Number=UC3842B, №=5

## Via types
v1: diameter 0.8, hole 0.3, Top Layer to Bottom Layer, tented both sides, 18 vias
v2: diameter 1.8, hole 1, Top Layer to Bottom Layer, tented both sides, 4 vias
v3: diameter 1, hole 0.4, Top Layer to Bottom Layer, tented both sides, 4 vias
v4: diameter 2, hole 1, Top Layer to Bottom Layer, tented both sides, 3 vias
v5: diameter 1.2, hole 0.5, Top Layer to Bottom Layer, tented both sides, 1 vias
v6: diameter 0.6, hole 0.2, Top Layer to Bottom Layer, tented both sides, 1 vias
v7: diameter 1, hole 0.3, Top Layer to Bottom Layer, tented both sides, 1 vias

## Nets (pads, with @x,y where several pads share a name; then routed paths per layer and width w, separated by ;. In a path a pad name is that pad's centre, name@x,y a point inside that pad or via, vN(x,y) a via of type N, cw(c..) or ccw(c..) an arc to the next point about the centre after c; other vN are vias at no path point)
+20V: C11.1 J3.1 J4.1 L3.2 R18.2 R19.2 R21.2 R24.1 | length 75.4
  Top Layer w1: R24.1 83.136,19.47 J4.1
  Top Layer w2: L3.2@61.443,39.457 61.943,39.957 67.795,39.957 69.429,41.591 C11.1 83.962,41.591 87.554,37.998 87.554,31.663 ; J4.1 86.382,20.654 87.554,21.826 87.554,31.663 ; J3.1 87.554,31.663
  Bottom Layer w1: R21.2@82.03,3.574 82.03,3.805 82.03,6.479 81.986,6.523 81.986,9.261 R18.2 81.981,18.315 J4.1
+100V: C4.1 C9.2 L1.2 R12.2 R23.1 R25.1 T1.1 TP11.1 | length 72.1
  Top Layer w1: v2(22.606,40.64) 22.606,38.481 24.408,36.679 C9.2
  Top Layer w1.5: v2(30.074,26.34) 32.131,26.34 32.97,27.179 35.257,27.179 ; TP11.1@35.257,23.519 35.257,27.179 ; T1.1 35.257,27.179
  Top Layer w2: C4.1@17.915,32.12 17.946,32.151 17.946,24.442 L1.2@18.35,24.037
  Bottom Layer w1: R12.2 R25.1 17.475,45.771 v2(22.606,40.64)
  Bottom Layer w1.5: C4.1@17.756,31.98 22.433,36.657 25.619,36.657 25.636,36.674 C9.2@25.639,36.671 ; C9.2@25.095,36.579 25.095,33.909 30.074,28.931 v2(30.074,26.34) ; C9.2@25.647,36.653 27.651,36.653 R23.1@27.727,36.577
GND: C1.1 C2.2 C3.2 C4.2 C5.2 C6.2 C8.2 C14.1 J1.1 J2.1 R1.1 R2.1 R9.2 R14.1 R17.2 R25.2 T1.4 U1.5 VD2.2 VD5.2 | length 195
  Top Layer w0.5: C4.2 17.921,41.169 16.002,43.088 16.002,49.987 18.042,52.027 v1(19.063,52.027)
  Top Layer w0.8: v3(23.47,12.466) v1(23.47,3.505) 30.103,3.505 C14.1
  Top Layer w1: v3(23.47,12.466) 23.47,19.101 25.021,20.652 25.068,20.652 25.168,20.752 v5(25.222,20.752) ; R14.1 25.209,30.391 25.209,20.765 v5(25.222,20.752) ; T1.4 31.395,14.579 v5(25.222,20.752)
  Top Layer w2: VD2.2 1.422,14.67 1.422,22.073 J2.1@4.549,25.199 ; 4.305,36.043 1.422,33.16 1.422,28.27 4.521,25.171 J2.1 ; 4.331,36.043 J1.1 10.995,36.043 12.011,37.059 17.86,37.059 C4.2 17.983,37.059 18.541,37.059 R14.1 30.099,30.404 35.407,35.711 VD5.2
  Bottom Layer w0.5: C8.2 23.47,14.668 v3(23.47,12.466) 23.473,12.463 25.103,12.463 U1.5 ; 23.006,3.705 23.743,4.442 26.693,4.442 28.45,6.199 v1(30.684,6.199) 37.151,6.199 38.546,7.595 45.401,7.595 46.839,6.156 R1.1 47.141,6.156 49.659,8.675 C1.1 ; R2.1 23.762,20.736 25.207,20.736 v5(25.222,20.752) ; v5@25.191,20.721 26.489,20.721 C2.2 ; R9.2@36.424,39.368 R9.2@36.424,39.766 ; R9.2@36.503,39.315 R9.2@36.556,39.368
  Bottom Layer w1: C6.2 13.59,33.667 14.468,33.667 C4.2 ; R25.2@17.344,52.024 17.347,52.027 R17.2@20.715,52.027 ; VD5.2 R9.2@36.503,39.315
GND_1: C1.2 C10.2 C11.2 C12.2 D1.2 D2.2 DA1.2 J3.2 J4.2 L2.2 R20.2 R20.3 TP14.1 TP16.1 U2.4 VD4.1 VD9.1 | length 58.3
  Top Layer w0.5: C1.2 59.351,4.852 60.062,4.14 DA1.2 ; DA1.2@60.757,4.153 61.824,4.153 61.862,4.19 61.862,8.547 VD9.1@61.925,8.611
  Top Layer w2: L2.2@76.312,21.006 75.762,21.557 75.762,30.605 72.314,34.052 72.314,36.54 C11.2 72.299,36.627 79.727,36.627 ; 79.823,36.663 J3.2 ; 80.899,36.663 v7(80.899,27.254) 82.499,25.654 J4.2
  Bottom Layer w0.5: R20.3@74.18,3.805 C12.2 75.428,3.809 U2.4 ; C10.2 C10.2@79.59,27.254
  Bottom Layer w1: C10.2@79.59,27.254 v7(80.899,27.254)
  other v2: 80.366,20.752 80.366,22.809
  other v3: 61.837,4.165
NetC2_1: C2.1 Q1.3 R2.2 R3.1 TP2.1 VD1.1 | length 15.1
  Bottom Layer w0.5: R3.1@20.935,18.645 20.961,18.619 R2.2 26.547,18.619 C2.1 29.72,18.74 VD1.1 ; R3.1 21.039,18.804 21.039,21.488 21.039,23.001 TP2.1
NetC3_1: C3.1 R6.1 TP5.1 U1.3 | length 19.2
  Top Layer w0.5: v1(16.401,3.659) v1(16.401,11.19)
  Bottom Layer w0.5: R6.1@14.888,11.312 15.01,11.19 v1(16.401,11.19) U1.3 ; R6.1@14.905,11.481 R6.1 14.905,12.899 TP5.1 ; v1(16.401,3.659) 16.482,3.659 16.683,3.861 19.32,3.861 C3.1
NetC5_1: C5.1 DA1.4 R4.1 U1.8 | length 34.6
  Top Layer w0.8: v3(35.916,7.442) 41.758,1.6 DA1.4
  Bottom Layer w0.5: R4.1 21.544,6.403 23.938,6.403 C5.1@24.116,6.225 ; C5.1@24.492,6.575 24.619,6.702 24.619,8.6 24.669,8.65 26.554,8.65 27.762,7.442 v3(35.916,7.442)
NetC6_1: C6.1 TP6.1 VD3.2 VT2.2 | length 30.4
  Top Layer w1: TP6.1 v1(13.183,42.841)
  Bottom Layer w1: TP6.1@6.299,42.815 6.299,32.779 7.532,31.547 12.864,31.547 12.901,31.51 C6.1 13.106,31.383 13.106,27.829 VD3.2 ; VT2.2 v1(13.183,42.841)
NetC7_1: C7.1 R8.1 R10.2 U1.2 | length 43.5
  Top Layer w0.5: v1(18.426,9.92) v1(18.426,9.92) 18.425,6.823 23.952,1.295 v1(37.668,1.295)
  Bottom Layer w0.5: R10.2 12.804,8.398 13.47,9.064 13.47,9.627 13.763,9.92 U1.2 ; v1(37.668,1.295) 42.478,6.105 R8.1
NetC7_2: C7.2 R10.1 TP7.1 U1.1 | length 11.5
  Bottom Layer w0.5: TP7.1 14.905,4.048 R10.1 14.905,8.608 14.861,8.653 19.703,8.653 U1.1
NetC8_1: C8.1 R4.2 U1.4 | length 14.1
  Top Layer w0.5: v1(17.473,6.514) 17.493,6.533 17.493,12.461 v1(17.512,12.48)
  Bottom Layer w0.5: v1(17.473,6.514) 19.109,6.514 R4.2 ; v1(17.512,12.48) 17.523,12.47 19.696,12.47 U1.4 ; U1.4@19.533,12.46 19.533,14.871 19.825,15.164 C8.1
NetC9_1: C9.1 R23.2 VD6.1 | length 5.9
  Bottom Layer w1: VD6.1 29.824,39.874 29.824,36.657 R23.2 ; R23.2@29.829,36.577 29.829,36.601 29.932,36.704 C9.1@32.452,36.704
NetC10_1: C10.1 L3.1 VD7.1 VD8.1 | length 38.3
  Top Layer w2: L3.1 63.439,34.457 63.939,33.957 63.939,33.572 v4(65.481,32.029)
  Bottom Layer w1.5: v4(65.481,32.029) 65.507,32.004 75.565,32.004 77.712,29.857 C10.1 ; VD7.1 74.951,14.779 74.951,18.03 77.712,20.791 C10.1 ; VD8.1@74.778,27.55 VD8.1 76.96,27.305 ; C10.1@76.96,27.33 C10.1
NetC12_1: C12.1 D2.1 R21.1 TP15.1 U2.8 | length 30.6
  Top Layer w0.5: TP15.1 75.509,11.628 77.565,11.628 D2.1 77.814,11.582 79.07,11.582 80.431,10.222 80.431,5.553 v1(78.588,3.711)
  Bottom Layer w0.5: U2.8 72.034,9.799 72.746,9.087 72.746,2.989 73.617,2.118 76.941,2.118 77.234,2.411 C12.1 77.328,3.711 v1(78.588,3.711) ; v1@78.493,3.805 R21.1
NetC13_1: C13.1 R17.1 | length 3.5
  Top Layer w1: v1(19.38,49.911) 19.406,49.886 19.406,48.277 19.552,48.131 C13.1
  Bottom Layer w1: v1(19.38,49.911) 20.66,49.911 R17.1
NetC13_2: C13.2 R15.1 R16.1 | length 17.4
  Top Layer w0.5: v1(8.636,44.399) 8.636,46.634 9.715,47.714 12.388,47.714 C13.2
  Bottom Layer w0.5: R16.1 8.612,33.676 8.612,38.195 8.684,38.266 8.647,38.303 8.647,44.388 v1(8.636,44.399)
NetC14_2: C14.2 Q2.2 R5.2 TP4.1 U1.7 VD2.1 VD3.1 | length 48.7
  Top Layer w0.5: v1(7.961,17.837) 17.265,17.837 v1(21.895,13.208) ; v1(30.695,8.816) C14.2
  Bottom Layer w0.5: 13.708,20.498 13.758,20.449 13.923,20.449 Q2.2 ; v1(21.895,13.208) 21.895,11.887 23.862,9.92 27.379,9.92 28.483,8.816 v1(30.695,8.816)
  Bottom Layer w1: TP4.1 v1(7.961,17.837) 10.72,20.597 R5.2 ; VD3.1 12.903,20.763 R5.2 ; 13.708,20.498 12.991,20.498 R5.2
NetD1_1: D1.1 R18.1 TP12.1 U2.2 | length 11.5
  Bottom Layer w0.5: U2.2 76.98,8.529 77.337,8.887 77.337,8.947 D1.1@77.763,9.373 ; D1.1 R18.1 79.88,12.983 TP12.1
NetDA1_1: DA1.1 R22.1 TP17.1 | length 8.4
  Top Layer w0.5: DA1.1@60.698,1.534 60.912,1.747 62.766,1.747 63.881,2.862 TP17.1 TP17.1@63.929,2.943
  Bottom Layer w0.5: TP17.1 65.63,4.645 R22.1
NetDA1_3: DA1.3 R1.2 R8.2 | length 8.4
  Top Layer w0.5: DA1.3@50.588,4.39 50.962,4.39 DA1.3 ; DA1.3@51.212,4.1 DA1.3@51.771,4.1
  Top Layer w0.8: v3(49.225,4.1) 49.263,4.138 51.21,4.138 DA1.3
  Bottom Layer w0.8: R8.2 44.145,4.029 46.965,4.029 R1.2 47.013,4.077 49.202,4.077 v3(49.225,4.1)
NetJ1_2: J1.2 J2.2 L1.1 | length 22.7
  Top Layer w2: J2.2 6.142,20.813 13.273,20.813 12.773,21.313 12.773,25.813 7.544,31.043 J1.2
NetL2_1: L2.1 T1.6 T1.7 | length 13
  Top Layer w2: T1.6 70.012,18.339 71.262,19.589 71.262,21.142 71.262,22.169 70.012,23.419 T1.7
NetQ1_1: Q1.1 Q2.3 R3.2 | length 4.4
  Bottom Layer w0.5: Q2.3 17.112,19.499 17.162,19.449 17.162,19.374 17.532,19.004 R3.2@18.888,19.004 ; Q1.1 18.838,20.993 18.888,20.943 R3.2@18.888,19.004 ; R3.2 18.888,18.854 R3.2@18.888,19.004
NetQ1_2: Q1.2 Q2.1 R5.1 TP3.1 | length 11.3
  Bottom Layer w0.5: TP3.1 R5.1 14.708,18.495 14.762,18.549 14.912,18.549 14.962,18.599 15.937,19.574 15.937,20.91 17.921,22.893 Q1.2@18.725,22.893
NetR6_2: R6.2 R14.2 TP10.1 VT1.3 | length 74
  Top Layer w0.5: v1(31.42,16.942) 31.449,16.913 37.766,16.913 v1(37.795,16.883)
  Top Layer w1.5: R14.2 44.196,34.442 51.384,41.631 51.384,48.87 49.874,50.38 VT1.3 48.09,50.423 48.09,53.043 TP10.1
  Bottom Layer w0.5: R6.2 12.804,12.626 14.462,14.285 14.462,15.243 16.161,16.942 v1(31.42,16.942) ; v1(37.795,16.883) 39.616,16.883 42.926,20.193 42.926,29.134 R14.2
NetR7_1: R7.1 U1.6 | length 3.3
  Bottom Layer w0.5: U1.6 25.108,11.188 R7.1@28.371,11.188
NetR7_2: R7.2 R9.1 TP8.1 VD5.1 VT1.1 | length 45.1
  Top Layer w0.8: VD5.1@40.354,39.417 VD5.1
  Bottom Layer w0.5: R9.1@38.958,39.315 R9.1@39.008,39.365
  Bottom Layer w0.8: R7.2 28.672,13.388 30.634,13.388 33.147,15.9 33.147,20.42 33.147,29.972 40.407,37.232 VD5.1
  Bottom Layer w1: R9.1@39.008,39.365 VD5.1
  Bottom Layer w2: VD5.1 44.679,39.365 48.063,42.749 VT1.1@48.063,45.189
NetR11_1: R11.1 R13.2 | length 2.7
  Bottom Layer w0.5: R13.2 R13.2@9.512,49.838 ; R11.1@12.205,49.838 R11.1
  Bottom Layer w1: R13.2@9.512,49.838 R11.1@12.205,49.838
NetR11_2: R11.2 R12.1 | length 2.5
  Bottom Layer w0.5: R11.2 R11.2@12.236,51.971 ; R12.1@14.713,51.971 R12.1
  Bottom Layer w1: R11.2@12.236,51.971 R12.1@14.713,51.971
NetR13_1: R13.1 R15.2 VT2.3 | length 16.8
  Bottom Layer w1: R13.1 9.396,51.824 8.17,51.824 7.417,51.07 7.417,47.981 10.883,44.515 VT2.3 10.821,40.78 10.821,38.302 R15.2
NetR16_2: R16.2 VT2.1 | length 9.2
  Bottom Layer w0.5: R16.2 10.736,33.698 10.736,34.841 15.367,39.471 15.367,40.725 VT2.1
NetR19_1: R19.1 R20.1 TP13.1 U2.3 | length 15.1
  Top Layer w0.5: R20.1 72,6.973 TP13.1
  Bottom Layer w0.5: U2.3 77.527,7.259 78.009,6.777 79.626,6.777 R19.1
NetR22_2: R22.2 R26.1 U2.1 | length 11.9
  Bottom Layer w0.5: R22.2 67.732,9.645 68.085,9.999 68.236,9.999 69.591,11.354 72.492,11.354 74.046,9.799 U2.1
NetR24_2: R24.2 VD4.2 | length 3.1
  Top Layer w0.5: R24.2@85.238,15.392 87.558,15.392 87.874,15.076 87.874,15.051 88.049,14.876 VD4.2
NetR26_2: R26.2 VD9.2 | length 2.6
  Top Layer w0.5: VD9.2 63.437,8.511 64.414,9.489 v6(64.414,9.505)
  Bottom Layer w0.5: v6(64.414,9.505) 65.619,9.505 R26.2
NetT1_2: T1.2 TP9.1 VD6.2 VT1.2 | length 58.5
  Top Layer w2: 34.586,47.84 VT1.2@48.048,47.84 ; TP9.1 T1.2
  Bottom Layer w2: VD6.2 25.519,44.809 27.855,47.144 VT1.2@27.855,47.84 ; TP9.1 40.562,30.757 51.232,41.427 51.232,46.526 49.917,47.84 VT1.2@48.191,47.84
NetT1_3: T1.3 TP1.1 VD1.2 | length 25.2
  Top Layer w1: TP1.1 27.381,22.403 31.445,18.339 34.696,18.339 T1.3
  Bottom Layer w1: TP1.1@27.312,24.507 27.503,24.316 28.295,24.316 29.656,22.954 VD1.2
NetT1_5: T1.5 VD7.2 | length 3.9
  Top Layer w2: T1.5@66.572,14.58 v4(68.672,14.58)
  Bottom Layer w1: VD7.2@70.301,14.429 VD7.2
  Bottom Layer w2: v4(68.672,14.58) 70.151,14.58 VD7.2@70.301,14.429
NetT1_8: T1.8 VD8.2 | length 4
  Top Layer w2: T1.8@66.823,27.11 v4(68.75,27.11)
  Bottom Layer w1: VD8.2@70.66,27.242 VD8.2
  Bottom Layer w2: v4(68.75,27.11) 70.527,27.11 VD8.2@70.66,27.242
pads on no net: U2.5 U2.6 U2.7 VT2.4

## Polygon pours and split planes (outlines as drawn)
GND_1 on Bottom Layer "NONET_L-01_P-001" (solid, pour order 1): 57.099,54.933 56.998,54.832 56.998,-0.058 91.034,-0.058 91,-0.024 91,54.968
GND_1 on Top Layer "NONET_L-01_P-001" (solid, remove dead copper, pour order 0): 57.099,54.966 56.998,54.864 56.998,-0.025 91.034,-0.025 91,0.008 91,55

## Keep-outs
Keep-Out Layer:
  circle w0.254: c3,52 r1.5
  circle w0.254: c88,52 r1.5
  circle w0.254: c88,3 r1.5
  circle w0.254: c3,3 r1.5
  lines w0.254: 0,2.999 0,52 cw(c3,52) 3,55 88,55 cw(c88,52) 91,52 91,3 cw(c88,3) 88,0 ; 0,3 ccw(c3,3) 3,0 ; 2.986,0.004 88,0.004 ; 54.792,21.08 54.792,34.98 ; 54.794,5.05 ccw(c55.794,5.05) 56.794,5.05 ; 54.795,5.009 54.795,16.141 54.795,16.149 ; 54.795,16.098 54.795,23.519 ; 54.795,35 cw(c55.795,35) 56.795,35 ; 56.79,21.831 56.79,34.931 ; 56.794,5.009 56.794,16.95 ; 56.794,16.149 56.794,16.262 ; 56.795,16.898 56.795,24.428

## Other copper
Top Layer:
  rectangle net GND_1: 74.138,16.894 78.42,18.466
  rectangle net GND_1: 74.168,23.419 78.42,25.146
  rectangle net GND_1: 83.058,24.232 85.586,27.188
  rectangle net GND_1: 82.702,35.357 85.47,38.227
  rectangle net GND_1: 70.723,35.231 73.7,37.846
  pour cut-out: 68.224,30.404 68.224,10.856 43.536,10.897 43.536,30.404
  pour cut-out: 84,6.973 84,0 91,0 91,7.054
  pour cut-out: 91,55.013 91,48.007 83.993,48.007 83.993,55
Bottom Layer:
  rectangle net GND_1: 70.79,35.441 73.667,37.846
  rectangle net GND_1: 83.058,24.486 85.537,26.875
  rectangle net GND_1: 83.058,35.538 85.534,37.825
  rectangle net GND: 20.941,2.582 25.071,4.828
  pour cut-out: 43.536,30.404 43.536,10.897 68.199,10.897 68.199,30.404
  pour cut-out: 83.985,0 83.985,6.999 91,6.999 91,0
  pour cut-out: 84,55 84,48 91,48 91,55

## Silkscreen, mask and mechanical layers (free items; w line width, h text height)
Top Overlay:
  circle w0.254: c3,52 r2.5
  circle w0.254: c88,52 r2.5
  circle w0.254: c88,3 r2.5
  circle w0.254: c3,3 r2.5
  text "b" at 57.633,44.426 h12
  text "VCC  GND" at 90.145,30.277 h1 r90
  text "VCC  GND" at 1.194,29.921 h0.8 r90
  text "VCC  GND" at 1.118,19.644 h0.8 r90
  text "VCC  GND" at 90.068,19.456 h1 r90